# KiCad board for_real_486_rc13.kicad_pcb (continued)
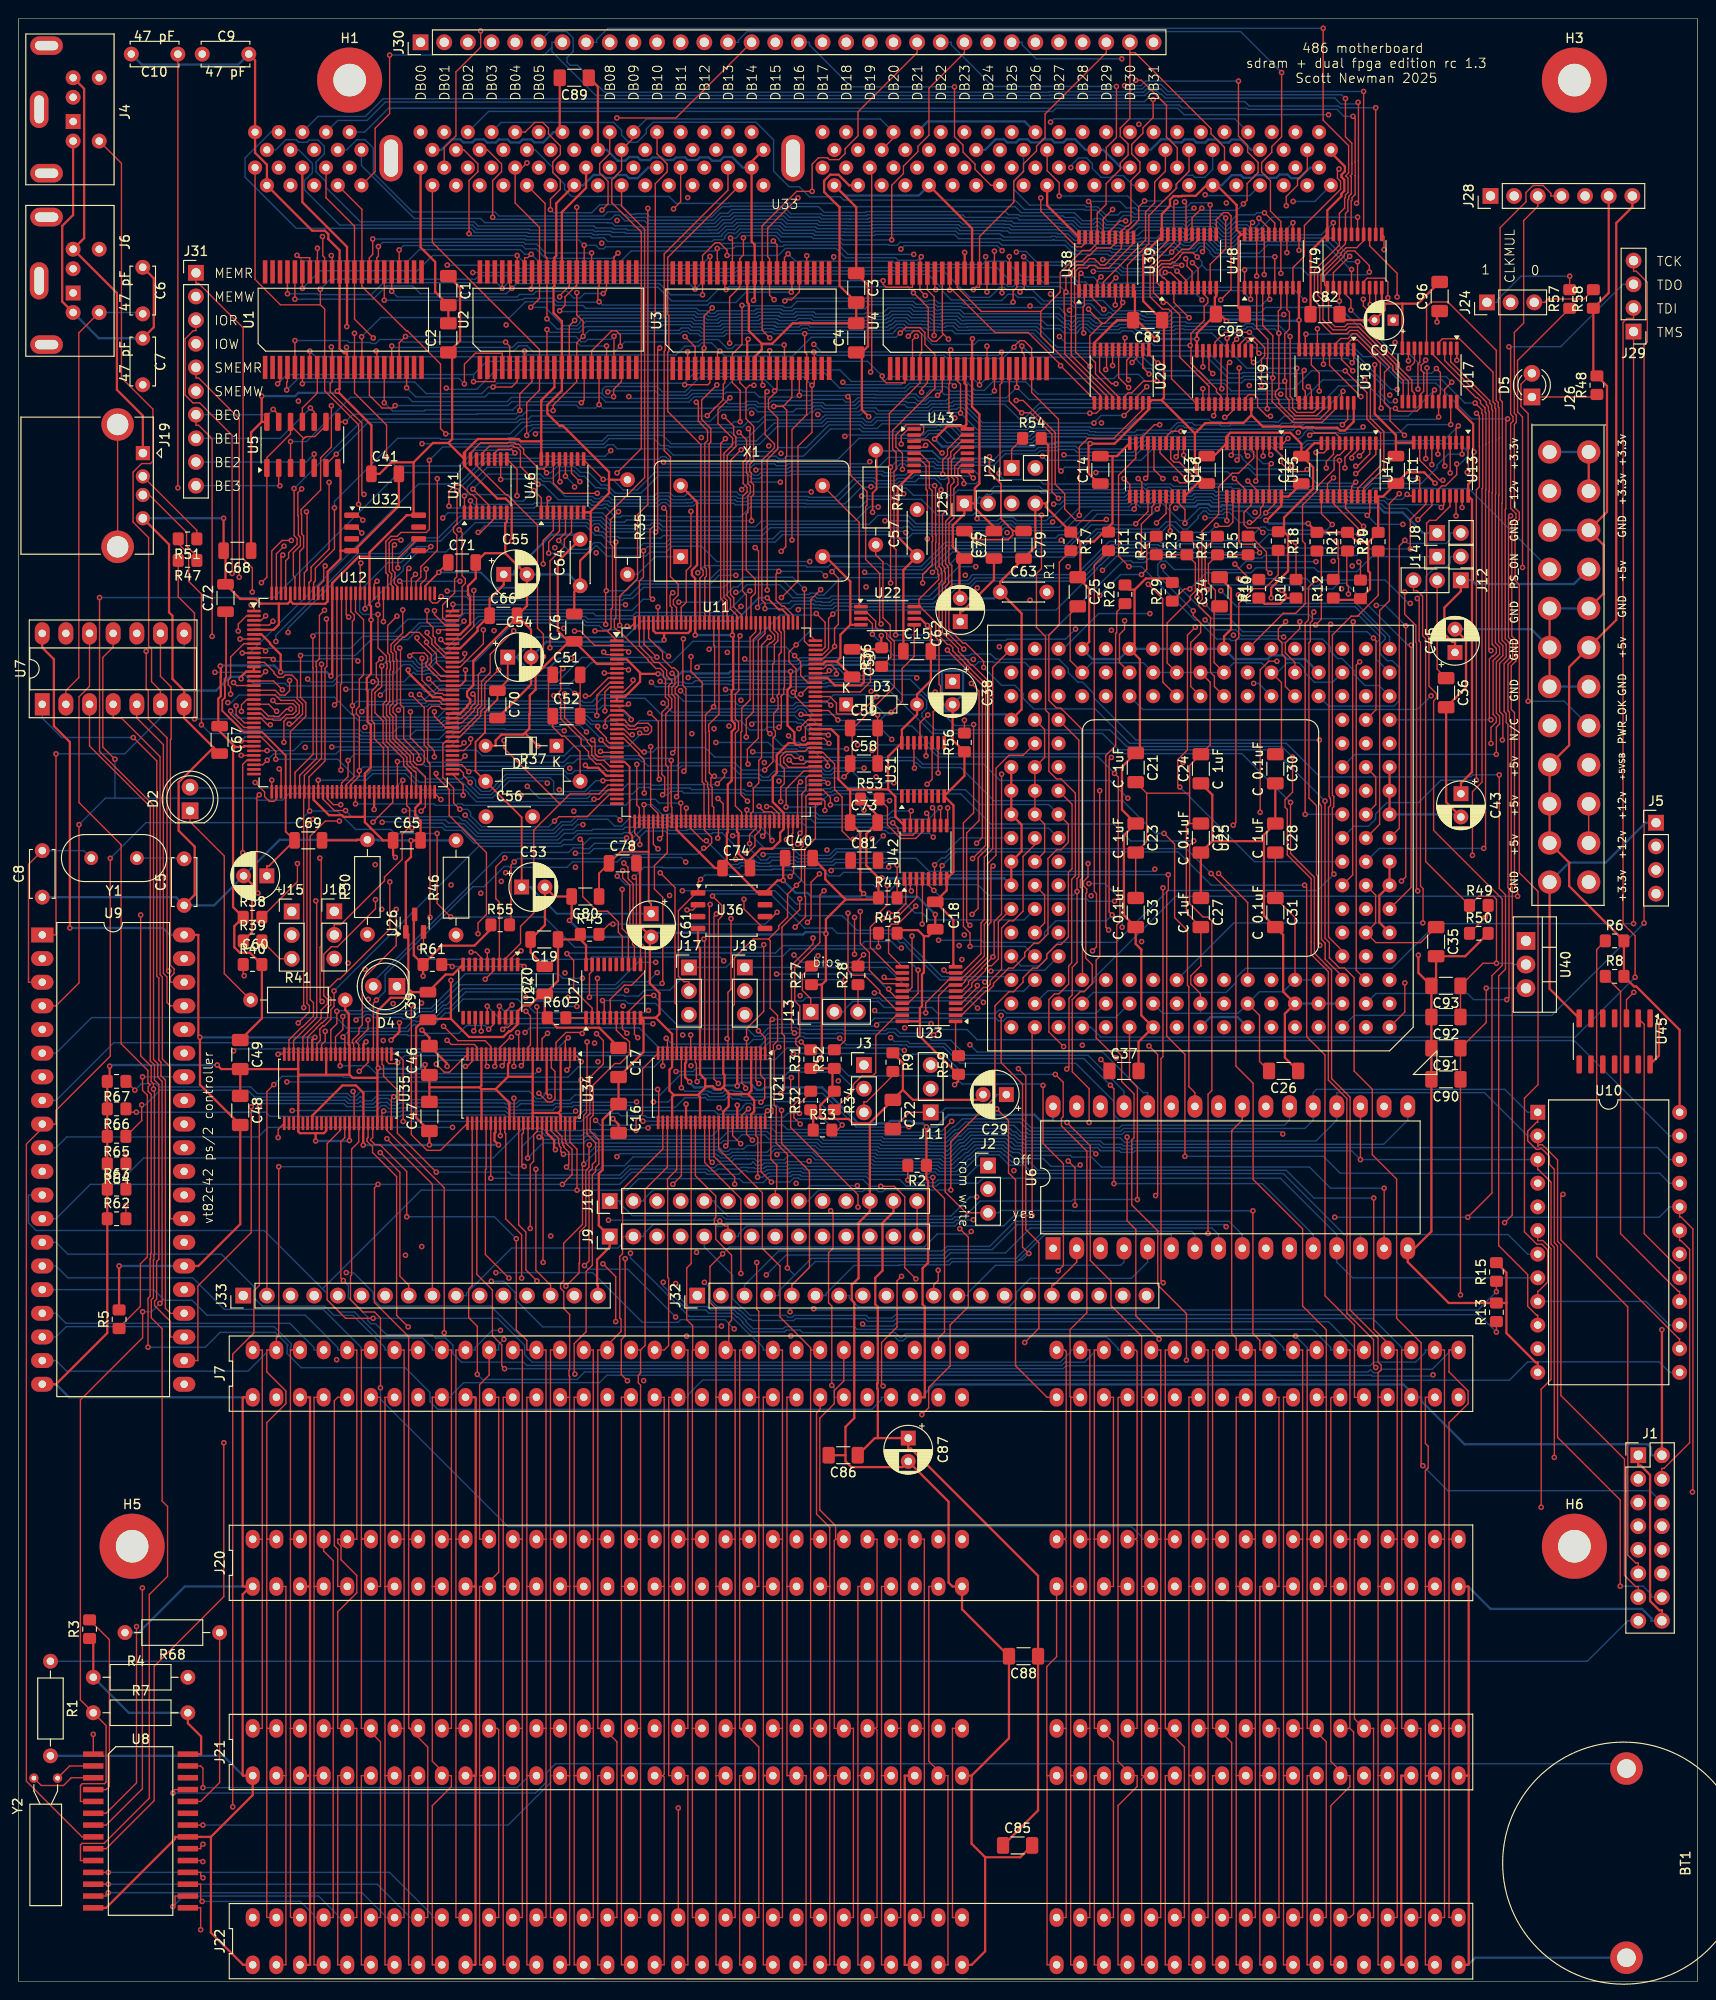
[diagram p0: board, top side]
## Routing (per net, layer and track width the routed paths; a pad name or vN(x,y) marks a point on that pad's centre or on a via; arc(x,y) is an arc through that point) (continued)
ISA_A14: length 90.9
  Top w0.15: 66.81,47.5 66.81,47.5 66.81,27.18 ; 66.81,47.5 J20.48 ; 66.81,47.5 66.81,64.05 66.57,64.29 66.57,65.09 66.81,65.34 66.81,67.82 ; J7.48 66.81,67.82 ; 66.81,67.82 67.3,68.3 67.3,85.07 69.7,87.47 U21.27 ; J21.48 66.81,27.18 ; 66.81,27.18 66.81,6.86 J22.48
ISA_A15: length 92.9
  Top w0.15: J22.47 64.27,6.86 64.27,25.73 62.82,27.18 ; 62.82,27.18 J21.47 ; 62.82,27.18 62.22,27.18 62.22,47.5 62.22,47.5 ; U21.26 69.2,89.41 64.87,85.08 64.87,78.16 64.58,77.86 64.58,71.25 64.72,71.11 64.72,69.8 62.73,67.82 ; J7.47 62.73,67.82 ; 62.73,67.82 62.22,67.82 62.22,47.5 ; 62.22,47.5 J20.47
ISA_A16: length 107.6
  Top w0.15: v1(45.72,69.67) 45.72,85.24 39.54,91.42 U35.47 ; J7.46 61.73,67.82 61.73,47.5 ; J20.46 61.73,47.5 ; 61.73,47.5 61.73,27.18 ; 61.73,27.18 61.73,6.86 J22.46 ; 61.73,27.18 J21.46
  In1.Cu w0.15: J7.46 59.68,67.82 59.68,67.63 58.58,66.53 50.08,66.53 49.28,67.34 49.28,68.28 47.88,69.67 v1(45.72,69.67)
ISA_A17: length 113.9
  Top w0.15: U35.46 39.04,93.31 v1(39.21,93.48) ; 57.14,27.18 57.14,27.18 57.14,6.86 J22.45 ; 57.14,27.18 J21.45 ; 57.14,27.18 57.14,47.5 57.14,47.5 ; 57.14,47.5 57.14,67.82 J7.45 ; 57.14,47.5 J20.45
  In2.Cu w0.15: J7.45 58.17,69.09 58.42,69.35 58.42,74.24 58.22,74.44 58.22,84.19 59.84,85.81 v1(59.84,93.47)
  Bottom w0.15: v1(59.84,93.47) 59.59,93.23 52.53,93.23 52.29,93.47 41.06,93.47 40.97,93.39 39.3,93.39 v1(39.21,93.48)
ISA_A18: length 103.3
  Top w0.15: J20.44 56.65,47.5 ; 56.65,47.5 56.65,27.18 ; 56.65,47.5 56.65,67.82 J7.44 54.6,67.82 54.6,68.84 53.46,69.98 v1(53.46,79.77) ; J22.44 56.65,6.86 56.65,27.18 ; v1(41.69,82.13) 41.69,86.99 38.8,89.88 38.28,89.88 37.81,90.36 37.81,90.42 38.04,90.65 U35.44 ; 56.65,27.18 J21.44
  Bottom w0.15: v1(53.46,79.77) 51.1,82.13 v1(41.69,82.13)
ISA_A19: length 101.2
  Top w0.15: 54.11,47.5 J20.43 ; 54.11,47.5 54.11,47.5 54.11,67.82 J7.43 ; 54.11,47.5 54.11,27.18 ; J21.43 54.11,27.18 ; 54.11,27.18 54.11,6.86 J22.43 ; U35.43 37.54,90.64 37.43,90.53 37.43,90.24 38.02,89.65 38.02,89.03 40.61,86.44 40.61,71.54 v1(41.85,70.29)
  In1.Cu w0.15: J7.43 52.06,67.82 52.06,68.07 49.84,70.29 v1(41.85,70.29)
ISA_A20: length 186.3
  Top w0.15: 122.69,47.5 122.69,67.82 J7.85 ; 122.69,47.5 J20.85 ; 122.69,47.5 122.69,27.18 ; J21.85 122.69,27.18 ; 122.69,27.18 122.69,6.86 J22.85 ; v1(38.87,63.76) 38.87,71.25 38.23,71.9 36.98,71.9 35.65,73.23 35.65,75.77 35.77,75.89 35.77,89.4 36.54,90.17 U35.41
  Bottom w0.15: v1(38.87,63.76) 38.87,62.54 52.56,48.84 119.55,48.84 120.64,47.75 120.64,47.5 J20.85
ISA_A21: length 177.7
  Top w0.15: J21.84 120.15,27.18 120.15,47.35 120.01,47.5 ; 120.01,47.5 120.15,47.64 120.15,67.67 120.01,67.82 J7.84 ; 120.01,47.5 J20.84 ; v1(35.93,95.58) 36.04,95.48 U35.40
  In1.Cu w0.15: v1(71.76,69.3) 82.94,69.3 v1(82.96,69.33)
  In2.Cu w0.15: J22.84 120.15,6.86 120.15,27.18 J21.84 ; v1(35.2,76.13) 34.92,76.4 34.92,94.57 v1(35.93,95.58)
  Bottom w0.15: v1(71.76,69.3) 53.94,69.3 50.71,72.53 38.83,72.53 38.1,73.26 38.1,73.99 35.97,76.13 v1(35.2,76.13) ; v1(82.96,69.33) 94.02,69.33 94.54,68.81 95.02,68.81 95.42,69.21 116.89,69.21 118.1,68.01 118.1,67.82 J7.84
ISA_A22: length 170.7
  Top w0.15: U35.38 35.04,90.63 34.62,90.21 34.62,75.54 v1(34.88,75.28) ; J22.83 117.61,6.86 117.61,25.73 116.16,27.18 ; J21.83 116.16,27.18 ; 116.16,27.18 115.56,27.18 115.56,47.5 115.56,47.5 ; 115.56,47.5 115.56,67.82 J7.83 ; 115.56,47.5 J20.83
  Bottom w0.15: J7.83 115.56,67.82 115.56,67.56 114.51,66.51 112.41,66.51 112.06,66.16 54.58,66.16 54.23,66.51 47.58,66.51 46.66,67.43 46.66,68.33 45.89,69.09 44.79,69.09 44.42,69.47 39.52,69.47 38.34,70.64 37.84,70.64 37.51,70.98 37.51,71.35 35.42,73.44 35.42,74.74 v1(34.88,75.28)
ISA_A23: length 169.5
  Top w0.15: J21.82 115.07,27.18 ; 115.07,27.18 115.07,47.5 ; 115.07,27.18 115.07,6.86 J22.82 ; v1(38.08,71.22) 35.12,71.22 33.14,73.2 33.14,89.99 34.54,91.39 U35.37 ; J20.82 115.07,47.5 ; 115.07,47.5 115.07,67.82 J7.82
  Bottom w0.15: J7.82 113.02,67.82 113.02,67.62 111.92,66.51 55.16,66.51 54.36,67.32 54.36,68.32 51.46,71.22 v1(38.08,71.22)
ISA_CLK: length 159.1
  Top w0.15: v1(70.68,127.24) 70.86,127.43 70.86,138.06 70.53,138.39 70.53,138.87 70.86,139.2 70.86,140.64 70.43,141.07 70.16,141.07 69.18,142.06 69.18,142.76 67.68,144.26 U11.141
  In1.Cu w0.15: v1(67.14,64.53) 70.84,64.53 72.38,62.99 72.38,62.74 J7.20
  In2.Cu w0.15: v1(70.68,127.24) 70.46,127.02 70.46,125.52 70.33,125.4 70.33,122.37 68.2,120.24 68.2,119.87 67.87,119.54 67.87,117.61 66.86,116.6 66.86,108.34 66.97,108.24 66.97,105.7 66.81,105.54 66.81,105.04 66.73,104.97 66.73,104.14 66.56,103.97 66.56,103.93 66.38,103.75 66.38,103.53 66.38,103.53 66.38,102.06 65.49,101.16 65.49,85.93 64.87,85.32 64.87,78.16 64.58,77.86 64.58,77.39 64.87,77.09 64.87,71.45 67.14,69.18 v1(67.14,64.53) ; J20.20 74.43,42.42 ; 74.43,42.42 74.43,22.1 ; 74.43,42.42 74.43,62.74 J7.20 ; J22.20 74.43,1.78 74.43,22.1 ; 74.43,22.1 J21.20
ISA_dir: length 84.7
  Top w0.15: v1(60.44,98.78) 60.44,98.88 U34.1 ; v1(29.07,135.06) 29.43,135.06 30.5,136.13 30.5,137.19 29.93,137.77 29.93,139.74 29.36,140.31 28.64,140.31 28.39,140.06 27.88,140.06 27.43,140.5 27.43,140.64 26.39,141.68 U12.12 ; U34.24 46.29,97.66 45.72,97.66 v1(44.86,98.52) ; v1(31.63,124.82) 30.97,124.16 30.97,105.06 31.23,104.8 31.23,104.14 v1(30.04,102.94)
  In1.Cu w0.15: v1(44.86,98.52) 44.21,97.87 39.76,97.87 38.62,99.01 33.4,99.01 30.04,102.38 v1(30.04,102.94)
  In2.Cu w0.15: v1(31.63,124.82) 31.88,125.07 31.88,126.07 29.99,127.97 29.99,133.83 29.07,134.74 v1(29.07,135.06)
  Bottom w0.15: v1(60.44,98.78) 60.29,98.94 45.28,98.94 v1(44.86,98.52)
ISA_High_en: length 65.2
  Top w0.15: v1(28.33,138.73) 27.39,139.68 U12.16 ; v1(42.19,104.84) 42.19,90.95 43.87,89.26 45.31,89.26 U34.25
  In2.Cu w0.15: v1(28.33,138.73) 28.64,138.42 28.64,136.32 28.93,136.03 29.46,136.03 30,135.49 30,135.35 32.72,132.63 32.72,132.2 32.85,132.07 32.85,123.69 41.97,114.57 41.97,105.05 v1(42.19,104.84)
ISA_Low_en: length 85.9
  Top w0.15: U34.48 59.72,92.53 60.42,93.23 v1(60.42,96.85) ; v1(25.71,116.89) 25.59,117.01 25.59,127.2 v1(25.85,127.45) ; v1(26.53,140.69) 26.01,140.18 U12.15
  In2.Cu w0.15: v1(26.53,140.69) 25.65,139.81 25.65,129.7 25.99,129.37 25.99,127.59 v1(25.85,127.45) ; v1(25.71,116.89) 23.64,114.81 23.64,101.79 v1(28.81,96.62)
  Bottom w0.15: v1(28.81,96.62) 60.19,96.62 v1(60.42,96.85)
ISA_WAIT: length 42.2
  Top w0.15: U12.48 32.69,126.99 33.92,125.76 v1(35.12,125.76) ; U11.43 69.18,123.06 v1(68.86,122.74)
  In1.Cu w0.15: v1(68.86,122.74) 66.05,122.74 65.52,122.21 65.11,122.21 63.07,124.25 v1(60.62,124.25)
  Bottom w0.15: v1(60.62,124.25) 60.08,124.25 59.55,123.72 58.5,123.72 57.73,122.96 49.22,122.96 47.84,124.34 47.52,124.34 47.44,124.41 46.19,124.41 45.86,124.75 42.69,124.75 42.34,125.1 35.79,125.1 v1(35.12,125.76)
isabus_en: length 92.1
  Top w0.15: U11.33 63.35,128 62.31,126.97 v1(61.82,126.97) ; U12.47 v1(32.19,129.02) ; J33.14 57.15,74.79 55.57,76.37 v1(55.57,87.23)
  In2.Cu w0.15: v1(55.57,87.23) 55.57,89.54 57.02,91 57.02,93.51 57.77,94.26 57.77,110.73 59.75,112.71 59.75,118.03 60.39,118.68 60.39,120.1 60.74,120.45 60.74,121.71 61.27,122.24 61.27,122.34 61.57,122.64 61.57,125.69 61.44,125.83 61.44,126.6 v1(61.82,126.97)
  Bottom w0.15: v1(32.19,129.02) 37.34,129.02 38.04,129.72 41.55,129.72 43.29,127.98 47.99,127.98 48.33,127.64 48.33,127.56 49.18,126.71 61.56,126.71 v1(61.82,126.97)
KBD_A20: length 100.6
  Top w0.15: U9.22 19.26,66.68 19.26,74.69 24.99,80.42 v1(24.99,93.93)
  Bottom w0.15: J3.2 89.68,95.88 89.68,95.97 87.98,97.67 82.69,97.67 82.4,97.37 71.07,97.37 68.91,95.22 59.77,95.22 59.19,94.64 57.46,94.64 57.28,94.46 55.51,94.46 55.35,94.61 53.78,94.61 53.44,94.28 52.97,94.28 52.55,94.7 40.79,94.7 40.54,94.44 40.06,94.44 39.67,94.83 38.75,94.83 38.57,94.65 38.5,94.65 38.09,94.24 37.03,94.24 36.72,94.55 36.71,94.55 36.46,94.3 35.4,94.3 35.07,94.64 25.69,94.64 v1(24.99,93.93)
kbd_clk: length 115.7
  Top w0.15: J4.5 11.05,195.28 11.05,172.26 14.43,168.87 14.43,163.29 14.17,163.03 13.21,163.03 12.3,162.11 12.3,156.74 13.96,155.07 13.96,143.42 14.28,143.1 14.28,139.6 15.23,138.65 U7.6 ; U9.1 4.02,112.4 v1(4.02,131.85)
  In1.Cu w0.15: C9.2 10.38,197.67 J4.5
  Bottom w0.15: U7.6 15.23,135.69 11.39,131.85 v1(4.02,131.85)
kbd_data: length 148.5
  Top w0.15: v1(16.12,108.51) 15.94,108.7 15.94,133.57 13.93,135.58 13.93,138.65 13.7,138.87 v1(13.7,142.86) ; v1(17.1,160.42) C10.2
  In1.Cu w0.15: C10.2 9.86,199.77 J4.1
  In2.Cu w0.15: v1(17.1,160.42) 17.77,159.75 U7.8 ; U9.27 16.3,79.38 16.3,108.33 v1(16.12,108.51)
  Bottom w0.15: U7.8 17.77,143.31 14.15,143.31 v1(13.7,142.86)
kbd_en: length 89.1
  Top w0.15: U11.44 69.68,121.23 68.3,119.85 68.3,117.33 69.2,116.43 69.2,107.27 v1(69.13,107.2)
  Bottom w0.15: v1(69.13,107.2) 68.94,107 65.07,107 64.73,106.66 64.73,106.57 64.44,106.28 48.03,106.28 46.26,104.5 45.76,104.5 44.36,103.1 42.78,103.1 42.75,103.08 42.65,103.18 42.36,103.18 41.57,102.39 35.27,102.39 34.14,103.52 7.83,103.52 4.02,99.7 U9.6
KEN: length 50.8
  In1.Cu w0.15: U25.F15 110.57,114.04 110.57,112.5 109.27,111.2 108.71,111.2 107.9,110.39 107.9,109.85 106.71,108.66 105.94,108.66 104.04,106.76 103.8,106.76 98.87,101.83 98.87,101.42 98.54,101.09 98.12,101.09 94.32,97.28 90.27,97.28 82.38,89.39 81.23,89.39 80.89,89.06 80.89,88.76 77.07,84.95 76.2,84.95 J10.6
lcd_en: length 185.8
  Top w0.15: U11.7 65.38,141 v1(65.51,140.87) ; v1(150.84,55.39) 150.67,55.57 150.67,68.58 148.03,71.22 148.03,86.18 145.42,88.79 145.42,95.83 143.46,97.78 143.46,107.81 142.43,108.84 141.9,108.84 140.81,109.93 140.81,111.58 140.34,112.05 v1(140.34,126.78)
  In1.Cu w0.15: v1(65.51,140.87) 65.73,141.08 71.85,141.08 74.17,138.76 v1(75.94,138.76)
  Bottom w0.15: v1(75.94,138.76) 82.7,138.76 82.98,139.05 86.84,139.05 86.95,139.15 93.04,139.15 98.16,134.04 116.42,134.04 118.18,132.28 134.84,132.28 v1(140.34,126.78) ; 176.53,51.44 175.26,52.7 153.53,52.7 v1(150.84,55.39)
LOCK: length 96.6
  Top w0.15: v1(62.72,105.35) 62.91,105.17 U27.4
  In2.Cu w0.15: U25.N15 110.57,131.82 110.57,130.27 109.45,129.16 108.9,129.16 107.67,127.93 107.67,127.46 106.8,126.59 106.39,126.59 99.95,120.15 99.95,119.77 97.67,117.49 97.67,104.99 98.02,104.63 v1(98.02,102.88) ; J10.10 86.36,90.68 89.57,93.89 89.57,100.11 v1(92.17,102.72)
  Bottom w0.15: v1(62.72,105.35) 65.17,105.35 65.47,105.04 68.43,105.04 70.78,102.69 79.36,102.69 79.41,102.75 81.25,102.75 81.3,102.8 83.72,102.8 83.91,102.61 92.07,102.61 v1(92.17,102.72) 92.49,103.04 97.86,103.04 v1(98.02,102.88)
M/IO: length 116.7
  Top w0.15: v1(97.45,104.03) 97.45,104.03 97.45,105.11 100.01,107.67 U23.8 101.28,107.67 103.74,110.13 103.74,113.54 104.09,113.9 104.09,120.05 104.99,120.95 104.99,130.3 106.39,131.7 107.9,131.7 U25.N16
  In1.Cu w0.15: v1(91.95,104.28) 89.77,102.09 84.38,102.09 83.58,101.29 81.33,101.29 80.01,99.97 68.87,99.97 66.51,97.61 59.87,97.61 59.23,96.96 56.02,96.96 53.78,94.72 53.78,94.62 44.71,85.55 43.31,85.55 34.42,76.66 33.06,76.66 30.34,73.94 30.34,73.66 J33.3
  Bottom w0.15: v1(97.45,104.03) 92.2,104.03 v1(91.95,104.28)
MASTER16: length 246.7
  Top w0.15: 151.12,42.42 151.12,42.42 151.12,54.85 151.42,55.15 151.42,57.48 151.12,57.78 151.12,62.74 J7.79 ; 151.12,42.42 J20.79 ; 151.12,42.42 151.12,22.1 151.27,22.1 ; v1(145.8,65.94) 145.55,66.18 145.55,68.92 142.68,71.79 142.68,94.83 140.69,96.82 140.69,108.46 138.85,110.3 138.85,111.67 138.85,111.67 138.85,118.44 136.28,121.01 136.28,125.89 136.04,126.13 136.04,126.92 136.85,127.73 v1(136.85,131.5) ; 151.27,22.1 151.12,21.95 151.12,1.78 J22.79 ; 151.27,22.1 J21.79 ; v1(60.29,161.08) 59.39,161.98 U46.11
  In1.Cu w0.15: J7.79 151.12,62.74 151.12,62.99 148.17,65.94 v1(145.8,65.94)
  In2.Cu w0.15: v1(60.29,161.08) 60.51,160.87 60.51,160.37 66.1,154.78 66.84,154.78 67.7,153.92 67.7,151.16 69.33,149.53 69.33,145.73 67.98,144.38 v1(67.98,139.53)
  Bottom w0.15: v1(136.85,131.5) 135.72,132.63 119.02,132.63 117.23,134.42 98.46,134.42 97.04,135.85 97.04,136.23 97.54,136.73 97.54,137.59 96.94,138.19 94.94,138.19 93.62,139.5 86.8,139.5 86.8,139.5 86.75,139.5 86.66,139.42 78.94,139.42 78.89,139.46 76.8,139.46 76.64,139.3 76.3,139.3 76.25,139.35 73.6,139.35 73.31,139.06 71.5,139.06 71.35,139.21 70.87,139.21 70.72,139.06 68.45,139.06 v1(67.98,139.53)
MCLK0: length 121.7
  Top w0.15: U11.60 77.68,125.57 77,126.25 77,134.07 77.34,134.41 77.34,135.26 77,135.6 77,138.28 77.36,138.64 77.36,144.39 v1(77.49,144.53)
  In1.Cu w0.15: J28.1 154.7,191.77 145.53,182.6 137.26,182.6 134.38,179.71 132.67,179.71 130.71,177.76 124.76,177.76 124.4,177.41 124.13,177.41 120.03,173.3 118.28,173.3 117.91,172.94 117.41,172.94 111.47,166.99 105.33,166.99 101.02,162.68 97.17,162.68 94.88,160.39 94.87,160.39 94.16,159.69 94.16,159.31 85.82,150.97 83.46,150.97 81.37,148.88 81.37,147.82 78.07,144.53 v1(77.49,144.53)
MCLK2: length 148.8
  Top w0.15: J28.3 163.19,190.64 161.68,189.13 161.68,178.12 160.67,177.11 160.67,168.43 160.89,168.21 160.89,167.44 160.67,167.23 160.67,158.33 161.2,157.8 161.2,157.03 160.75,156.58 160.75,150.48 161.2,150.03 161.2,119.08 163.22,117.07 163.22,96.32 161.76,94.86 161.76,80.5 163.08,79.19 163.64,79.19 164.27,78.56 164.27,75.12 163.25,74.11 163.19,74.11 U10.9
  In2.Cu w0.15: U10.15 178.43,71.57 178.3,71.57 177.35,72.51 177.35,76.09 178.3,77.03 178.43,77.03 U10.18
  Bottom w0.15: U10.15 177.35,70.49 174.81,73.03 U10.9
MEMCS16: length 151.3
  Top w0.15: 110.48,22.1 J21.63 ; 110.48,22.1 110.45,22.13 110.45,33.81 111.51,34.87 J20.63 ; 110.48,22.1 110.48,1.78 J22.63 ; J7.63 110.48,62.74 107.09,66.12 107.09,86.09 106.34,86.85 106.34,92.45 v1(105.08,93.71) ; v1(68.22,105.9) 67.23,105.9 65.51,104.17 U27.8
  In2.Cu w0.15: J20.63 112.53,42.42 112.53,62.74 J7.63 ; v1(105.08,93.71) 104.76,94.03 104.76,102.8 v1(103.01,104.55)
  Bottom w0.15: v1(103.01,104.55) 102.25,105.31 92.78,105.31 92.43,105.66 92.23,105.66 92.17,105.6 91.69,105.6 91.63,105.66 84.56,105.66 84.2,105.29 82.72,105.29 82.67,105.24 68.88,105.24 v1(68.22,105.9)
MEMR: length 356.8
  Top w0.15: 132.85,27.18 132.85,27.18 132.85,6.86 J22.89 ; 132.85,27.18 J21.89 ; 132.85,27.18 132.85,47.5 132.85,47.5 ; 99.35,176.93 v1(99.88,176.39) ; 99.35,176.93 99.22,177.05 U4.37 ; 99.35,176.93 98.6,176.17 98.15,176.17 97.71,176.61 97.71,179.79 v1(96.12,181.38) ; v1(76,181.72) 75.87,181.84 U3.37 ; U24.18 52.3,104.17 v1(53.01,104.88) ; 131.44,93.98 131.44,92.5 130.31,91.37 130.31,69.57 130.8,69.09 130.8,67.82 J7.89 132.85,67.82 132.85,47.5 ; J20.89 132.85,47.5 ; 32.08,183.62 32.08,185.14 32.1,185.16 v1(32.1,186.16) ; 55.16,183.62 55.16,181.89 v1(55.05,181.78)
  In1.Cu w0.15: v1(32.1,186.16) 35.41,186.16 39.08,182.49 54.34,182.49 v1(55.05,181.78)
  In2.Cu w0.15: v1(88.21,101.3) 88.94,101.3 91.34,103.7 92.19,103.7 92.53,104.04 92.53,106.47 93.55,107.49 93.55,110.02 93.47,110.1 93.47,113.17 94.4,114.1 94.4,118.07 96.46,120.13 96.46,128.48 99.57,131.58 99.57,134.25 102.93,137.61 102.93,139.65 102.87,139.71 102.87,141.48 103.55,142.16 103.55,154.89 105.27,156.61 105.27,161.15 101.76,164.67 101.76,174.05 101.67,174.14 101.67,174.61 v1(99.88,176.39) ; v1(54.4,101.92) 53.01,103.32 v1(53.01,104.88)
  Bottom w0.15: 131.44,93.98 131.44,92.5 118.23,92.5 117.63,93.1 117.63,94.54 113.56,98.61 101.12,98.61 99.35,100.38 95.58,100.38 95.39,100.57 94.72,100.57 94.69,100.61 88.9,100.61 v1(88.21,101.3) 84.49,101.3 84.31,101.49 83.83,101.49 83.64,101.29 80.48,101.29 79.52,100.33 68.74,100.33 66.65,102.42 54.91,102.42 v1(54.4,101.92) ; v1(96.12,181.38) 95.49,182.01 76.3,182.01 v1(76,181.72) 75.16,181.72 73.94,180.49 70.15,180.49 68.68,181.97 55.24,181.97 v1(55.05,181.78)
MEMW: length 345.3
  Top w0.15: U24.17 v1(51.65,104.74) ; v1(40.45,169.26) 40.18,168.99 39.04,168.99 37.68,170.35 U1.15 ; v1(80.42,149.44) 80.42,163.45 81.55,164.58 81.55,167.92 80.54,168.93 80.54,169.91 81.2,170.57 v1(81.2,170.83) 81.47,171.1 U3.15 ; U2.15 60.75,169.86 v1(60.45,169.56) ; v1(132.59,82.77) 132.59,69.59 133.34,68.84 133.34,67.82 J7.90 ; J21.90 135.39,27.18 135.39,6.86 J22.90 ; v1(100.23,92.38) 99.52,91.68 99.52,84.81 101.78,82.55 J2.3 ; U4.15 v1(104.83,170.84)
  In1.Cu w0.15: v1(60.45,169.56) 61.62,170.73 v1(63.3,170.73)
  In2.Cu w0.15: J20.90 133.34,47.5 ; 133.34,47.5 133.34,67.82 J7.90 ; 133.34,47.5 133.34,27.18 J21.90 ; v1(67.06,92.4) 67.08,92.42 67.08,100.63 67.43,100.98 67.43,101.75 67.08,102.1 67.08,103.03 67.08,103.23 67.09,103.24 67.09,103.46 67.66,104.04 v1(67.66,104.29) 69.72,106.34 69.72,110.36 71.14,111.79 71.14,115.31 72.24,116.41 72.24,118.65 73.02,119.43 73.02,122.48 75.7,125.16 75.7,129.29 75.2,129.8 75.2,130.25 76.31,131.36 76.31,131.85 77.44,132.99 77.44,134.85 78.78,136.19 78.78,147.8 v1(80.42,149.44)
  Bottom w0.15: v1(60.45,169.56) 60.34,169.67 52.97,169.67 52.55,169.26 v1(40.45,169.26) ; J2.3 105.27,82.55 105.53,82.81 113.21,82.81 113.26,82.77 v1(132.59,82.77) ; v1(63.3,170.73) 63.41,170.84 68.38,170.84 68.84,170.38 71.75,170.38 72.27,170.9 75.67,170.9 76.78,172.01 80.2,172.01 81.2,171.01 v1(81.2,170.83) 81.29,170.92 84.11,170.92 84.24,170.8 92.29,170.8 92.32,170.76 95.3,170.76 95.82,171.28 99.64,171.28 100.13,170.79 100.78,170.79 100.79,170.8 102.33,170.8 102.68,170.45 104.43,170.45 v1(104.83,170.84) ; v1(67.06,92.4) 83.46,92.4 83.73,92.66 86.44,92.66 87.69,91.41 93.07,91.41 93.26,91.21 98.43,91.21 98.53,91.31 99.15,91.31 v1(100.23,92.38) ; v1(67.66,104.29) 67.43,104.06 55.45,104.06 54.73,104.77 54.18,104.77 53.7,104.29 52.1,104.29 v1(51.65,104.74)
ms_clk: length 81.7
  Top w0.15: U7.2 5.07,138.65 6.47,140.04 6.47,177.07 J6.5
  In2.Cu w0.15: U9.39 16.3,109.86 16.3,124.46 5.07,135.69 U7.2
  Bottom w0.15: J6.5 13.19,179.25 C6.2
ms_data: length 109.3
  Top w0.15: U9.28 16.3,81.92 16.3,98.21 15.44,99.07 15.44,107.88 15.19,108.13 15.19,131.55 11.05,135.69 10.16,135.69 U7.4
  In2.Cu w0.15: J6.1 7.26,179.95 7.26,177.57 C7.2 14.42,170.41 14.42,154.86 11.42,151.87 11.42,139.92 10.16,138.65 U7.4
NOWS: length 126.7
  Top w0.15: v1(59.76,65.23) 59.68,65.31 59.68,68.49 60.96,69.77 60.96,76.25 61.63,76.92 61.63,86.64 61.98,86.99 61.98,87.42 62.33,87.77 62.33,90.4 61.4,91.32 61.4,92.72 61.72,93.03 61.72,96.27 64.03,98.58 64.61,98.58 65.63,99.6 65.63,100.9 65.26,101.27 65.11,101.27 64.21,102.17 U27.6 ; J22.8 41.9,1.78 41.9,22.1 J21.8
  In1.Cu w0.15: v1(59.76,65.23) 59.13,64.61 45.56,64.61 43.95,62.99 43.95,62.74 J7.8
  In2.Cu w0.15: J7.8 41.9,62.74 41.9,42.42 ; J21.8 41.9,22.1 41.9,42.42 ; 41.9,42.42 J20.8
PCD: length 69.8
  In2.Cu w0.15: J10.3 68.58,88.12 74.24,93.79 74.24,97.04 75.06,97.86 75.06,111.75 79.97,116.66 v1(79.97,121.03)
  Bottom w0.15: v1(79.97,121.03) 80.06,121.12 82.26,121.12 82.61,120.77 83.59,120.77 83.76,120.59 87.21,120.59 87.93,121.31 99.66,121.31 101.18,122.82 106.62,122.82 U25.J17
PCHK: length 72.1
  In1.Cu w0.15: J10.4 72.25,83.82 72.25,84.01 76.98,88.74 80.08,88.74 81.08,89.75 81.08,90.01 83.73,92.66 84.19,92.66 88.05,96.52 v1(88.05,96.72)
  In2.Cu w0.15: v1(88.05,96.72) 88.05,99.49 91.92,103.35 92.34,103.35 94.05,105.06 94.05,110.02 93.89,110.18 93.89,112.94 94.75,113.8 94.75,117.62 101.77,124.64 101.77,130.98 103.86,133.08 103.86,135.27 106.63,138.04 U25.Q17
PIC0_en: length 46.2
  Top w0.15: v1(70.1,131.14) 70.1,126.21 70.18,126.13 U11.45 ; U12.52 34.69,128.71 35.39,129.41 v1(35.39,131.14)
  Bottom w0.15: v1(35.39,131.14) 36.1,131.85 43.24,131.85 44.14,130.95 58.53,130.95 59.23,131.65 62.14,131.65 62.26,131.52 62.74,131.52 62.86,131.65 66.79,131.65 67.06,131.38 69.86,131.38 v1(70.1,131.14)
PIC1_en: length 38.8
  Top w0.15: v1(71.13,126.56) 71.13,124.64 U11.47 ; U12.55 v1(36.19,126.48)
  Bottom w0.15: v1(71.13,126.56) 68.81,126.56 68.4,126.96 65.85,126.96 65.21,126.32 47.79,126.32 47.64,126.47 47.16,126.47 47.02,126.32 44.78,126.32 44.62,126.48 v1(36.19,126.48)
PIT_en: length 140.2
  Top w0.15: v1(125.29,88.62) 125.29,99.58 123.34,101.53 123.34,117.05 123.51,117.22 v1(123.51,118.88) ; U11.49 72.18,123.85 73.51,122.52 v1(73.87,122.52)
  Bottom w0.15: v1(123.51,118.88) 97.49,118.88 97.25,119.12 88.61,119.12 88.22,118.74 87.04,118.74 86.61,119.17 86.61,119.26 86.33,119.54 83.33,119.54 83.15,119.71 82.17,119.71 82.07,119.82 80.85,119.82 80.81,119.78 80.68,119.78 80.66,119.75 79.44,119.75 79.38,119.82 79.05,119.82 78.7,120.17 77.48,120.17 77.27,119.96 76.43,119.96 v1(73.87,122.52) ; v1(125.29,88.62) 140.16,88.62 141.97,86.81 176.28,86.81 177.35,85.73 U10.21
PWT: length 66.9
  Top w0.15: U25.L15 113.17,126.43 113.17,119.51 112.77,119.11 112.77,112.17 111.98,111.38 111.51,111.38 110.44,110.31 110.44,109.86 109.42,108.84 108.94,108.84 107.9,107.8 107.9,107.32 106.88,106.3 106.4,106.3 104.88,104.78 104.88,94.96 100.14,90.22 v1(100.14,85.01)
  Bottom w0.15: v1(100.14,85.01) 93.03,85.01 92.85,84.82 92.37,84.82 92.19,85.01 90.83,85.01 90.67,84.84 89.9,84.84 89.76,84.98 85.93,84.98 84.95,84 84.95,83.82 J10.9
RDY: length 114.2
  Top w0.15: v1(67.21,127.64) 67.21,131.16 66.63,131.74 66.63,131.88 65,133.5 U11.22
  In2.Cu w0.15: J33.13 54.61,74.79 54.61,74.79 54.61,78.34 56.9,80.63 56.9,89.39 59.18,91.67 59.18,93.73 62.45,96.99 62.45,98.18 62.81,98.54 62.81,99.14 62.8,99.16 62.8,100.05 62.95,100.2 62.95,101.28 63.01,101.34 63.01,103.79 63.65,104.44 63.65,108.55 64.42,109.32 64.42,113.8 64.26,113.96 64.26,118.69 64.28,118.71 ; v1(67.21,127.64) 67.21,127.31 66.6,126.7 66.6,125.14 66.25,124.79 66.25,122.66 65.09,121.51 65.09,121.09 64.26,120.25 64.26,118.74 64.28,118.71 ; 64.28,118.71 v1(64.31,118.71)
  Bottom w0.15: v1(64.31,118.71) 65.24,117.78 81.5,117.78 83.57,115.71 95.35,115.71 96.3,114.76 97.06,114.76 97.8,114.01 108,114.01 U25.F16
REFRESH: length 313.4
  Top w0.15: J7.19 69.84,62.74 69.84,42.42 69.84,42.42 ; J22.19 71.89,1.78 71.89,22.1 J21.19 69.84,22.1 69.84,42.42 ; v1(78.16,121.2) 78.34,121.2 79.1,121.96 79.1,123.08 79.68,123.66 U11.64 ; 69.84,42.42 J20.19 ; U12.129 34.69,139.39 34.58,139.28 34.58,130.16 v1(34.62,130.11)
  In1.Cu w0.15: v1(34.62,130.11) 36.35,128.38 42.36,128.38 44.49,126.25 46.94,126.25 47.16,126.47 51.73,126.47 56.88,121.32 59.66,121.32 v1(59.81,121.17)
  In2.Cu w0.15: J7.19 69.98,62.74 69.84,62.88 69.84,75.72 67.41,78.16 67.41,88.05 73.89,94.54 73.89,97.18 74.71,98 74.71,113.6 76.36,115.26 76.36,116.41 78.16,118.2 v1(78.16,121.2)
  Bottom w0.15: v1(78.16,121.2) 77.74,121.2 75.57,123.37 74.58,123.37 74.48,123.27 69.76,123.27 69.47,123.55 67.36,123.55 65.49,121.68 61.8,121.68 61.3,121.17 v1(59.81,121.17) ; U10.13 177.35,65.41 176.22,66.54 162.11,66.54 160.14,64.57 87.61,64.57 87.59,64.59 73.49,64.59 71.89,62.99 71.89,62.74 J7.19
RESET: length 153.9
  Top w0.15: v1(98.99,126.06) 99.05,126 U42.10 ; U31.10 v1(98.78,129.79) ; v1(10.35,131.27) 9.04,132.58 9.04,142.2 10.16,143.31 U7.11 ; U12.73 47.76,128.53 v1(47.76,127.4) ; U9.4 4.02,104.78 6.49,107.25 v1(6.49,124.25) ; v1(67.19,126.39) 67.18,126.38 U11.39
  In1.Cu w0.15: v1(64.61,124.75) 66.25,126.39 v1(67.19,126.39)
  In2.Cu w0.15: v1(47.97,125.26) 47.98,125.27 47.98,127.18 v1(47.76,127.4) ; v1(98.78,129.79) 98.99,129.58 v1(98.99,126.06)
  Bottom w0.15: v1(6.49,124.25) 9.33,127.09 10.35,127.09 ; v1(98.99,126.06) 97.76,124.83 94.34,124.83 94.15,125.02 93.67,125.02 93.48,124.83 85.86,124.83 85.51,125.18 70.33,125.18 70.14,125.38 69.81,125.38 69.77,125.33 69.65,125.33 69.63,125.31 69.15,125.31 68.07,126.39 v1(67.19,126.39) ; 10.35,127.09 25.4,127.09 25.61,126.88 28.32,126.88 29.03,127.59 47.57,127.59 v1(47.76,127.4) ; 10.35,127.09 v1(10.35,131.27) ; v1(64.61,124.75) 64.19,125.18 59.95,125.18 59.32,124.55 58.3,124.55 57.41,123.66 49.57,123.66 v1(47.97,125.26)
rom_en: length 134.9
  Top w0.15: U11.55 75.18,122.87 v1(75.11,122.79)
  In2.Cu w0.15: J33.15 59.69,76.61 60.56,77.49 60.56,85.51 61.88,86.83 61.88,89.6 61.94,89.66 61.94,92.44 v1(61.98,92.48) ; v1(67.62,91.68) 67.71,91.76 67.71,94.13 67.44,94.4 67.44,100.49 67.79,100.84 67.79,101.9 67.44,102.25 67.44,102.88 67.44,103.09 70.07,105.72 70.07,110.22 70.18,110.33 70.18,110.33 70.71,110.86 70.72,110.86 72.12,112.27 72.12,112.76 72.59,113.24 72.59,118.51 73.52,119.43 73.52,120.94 73.72,121.14 73.84,121.14 74.18,121.47 74.18,121.87 v1(75.11,122.79)
  Bottom w0.15: U6.22 136.52,92.5 135.99,91.97 118.55,91.97 118.25,91.67 108.79,91.67 107.82,92.65 101.37,92.65 100.53,91.81 100.38,91.81 99.53,90.96 98.67,90.96 98.52,90.8 98.36,90.8 98.3,90.86 93.12,90.86 92.92,91.05 87.37,91.05 86.92,91.5 82.58,91.5 82.1,91.99 67.93,91.99 v1(67.62,91.68) 66.94,91.68 66.65,91.97 62.49,91.97 v1(61.98,92.48)
rtc_en: length 161.7
  Top w0.15: U8.20 19.56,14.25 19.56,14.49 v1(19.8,14.73) ; v1(25.86,93.96) 25.86,74.75 25.28,74.17 25.28,69.65 23,67.37 v1(23,18.75) ; v1(71.73,126.02) 71.68,125.97 U11.48
  In2.Cu w0.15: v1(71.73,126.02) 70.68,124.97 70.68,121.85 68.23,119.4 68.23,116.91 69.02,116.11 69.02,111.66 67.64,110.28 67.64,105.38 67.09,104.82 67.09,104 66.91,103.82 66.91,103.78 66.73,103.61 66.73,103.38 66.73,103.38 66.73,103.17 66.73,101.96 66.75,101.95 67.08,101.61 67.08,101.13 66.75,100.79 66.39,100.43 v1(66.39,94.46) ; v1(19.8,14.73) 23,17.93 v1(23,18.75)
  Bottom w0.15: v1(66.39,94.46) 66.35,94.43 59.48,94.43 59.34,94.29 57.6,94.29 57.43,94.11 55.36,94.11 55.21,94.26 53.92,94.26 53.59,93.93 52.82,93.93 52.49,94.26 52.28,94.26 52.2,94.35 40.94,94.35 40.68,94.09 39.91,94.09 39.59,94.42 38.9,94.42 38.9,94.41 38.83,94.41 38.71,94.3 38.65,94.3 38.24,93.89 36.89,93.89 36.75,94.02 36.68,94.02 36.61,93.95 35.26,93.95 34.92,94.29 26.18,94.29 v1(25.86,93.96)
